# Altium PCB PCB1.PcbDoc (part 2 of 2)
Units mm, origin at the board's own origin, x right, y up, seen from the top; angles counter-clockwise.
Board outline 100 x 100 mm, 2 copper layers (Top Layer, Bottom Layer); 126 components, 105 nets, 401 pads, 405 vias.
Unrouted connection lines stored in the file: 72.
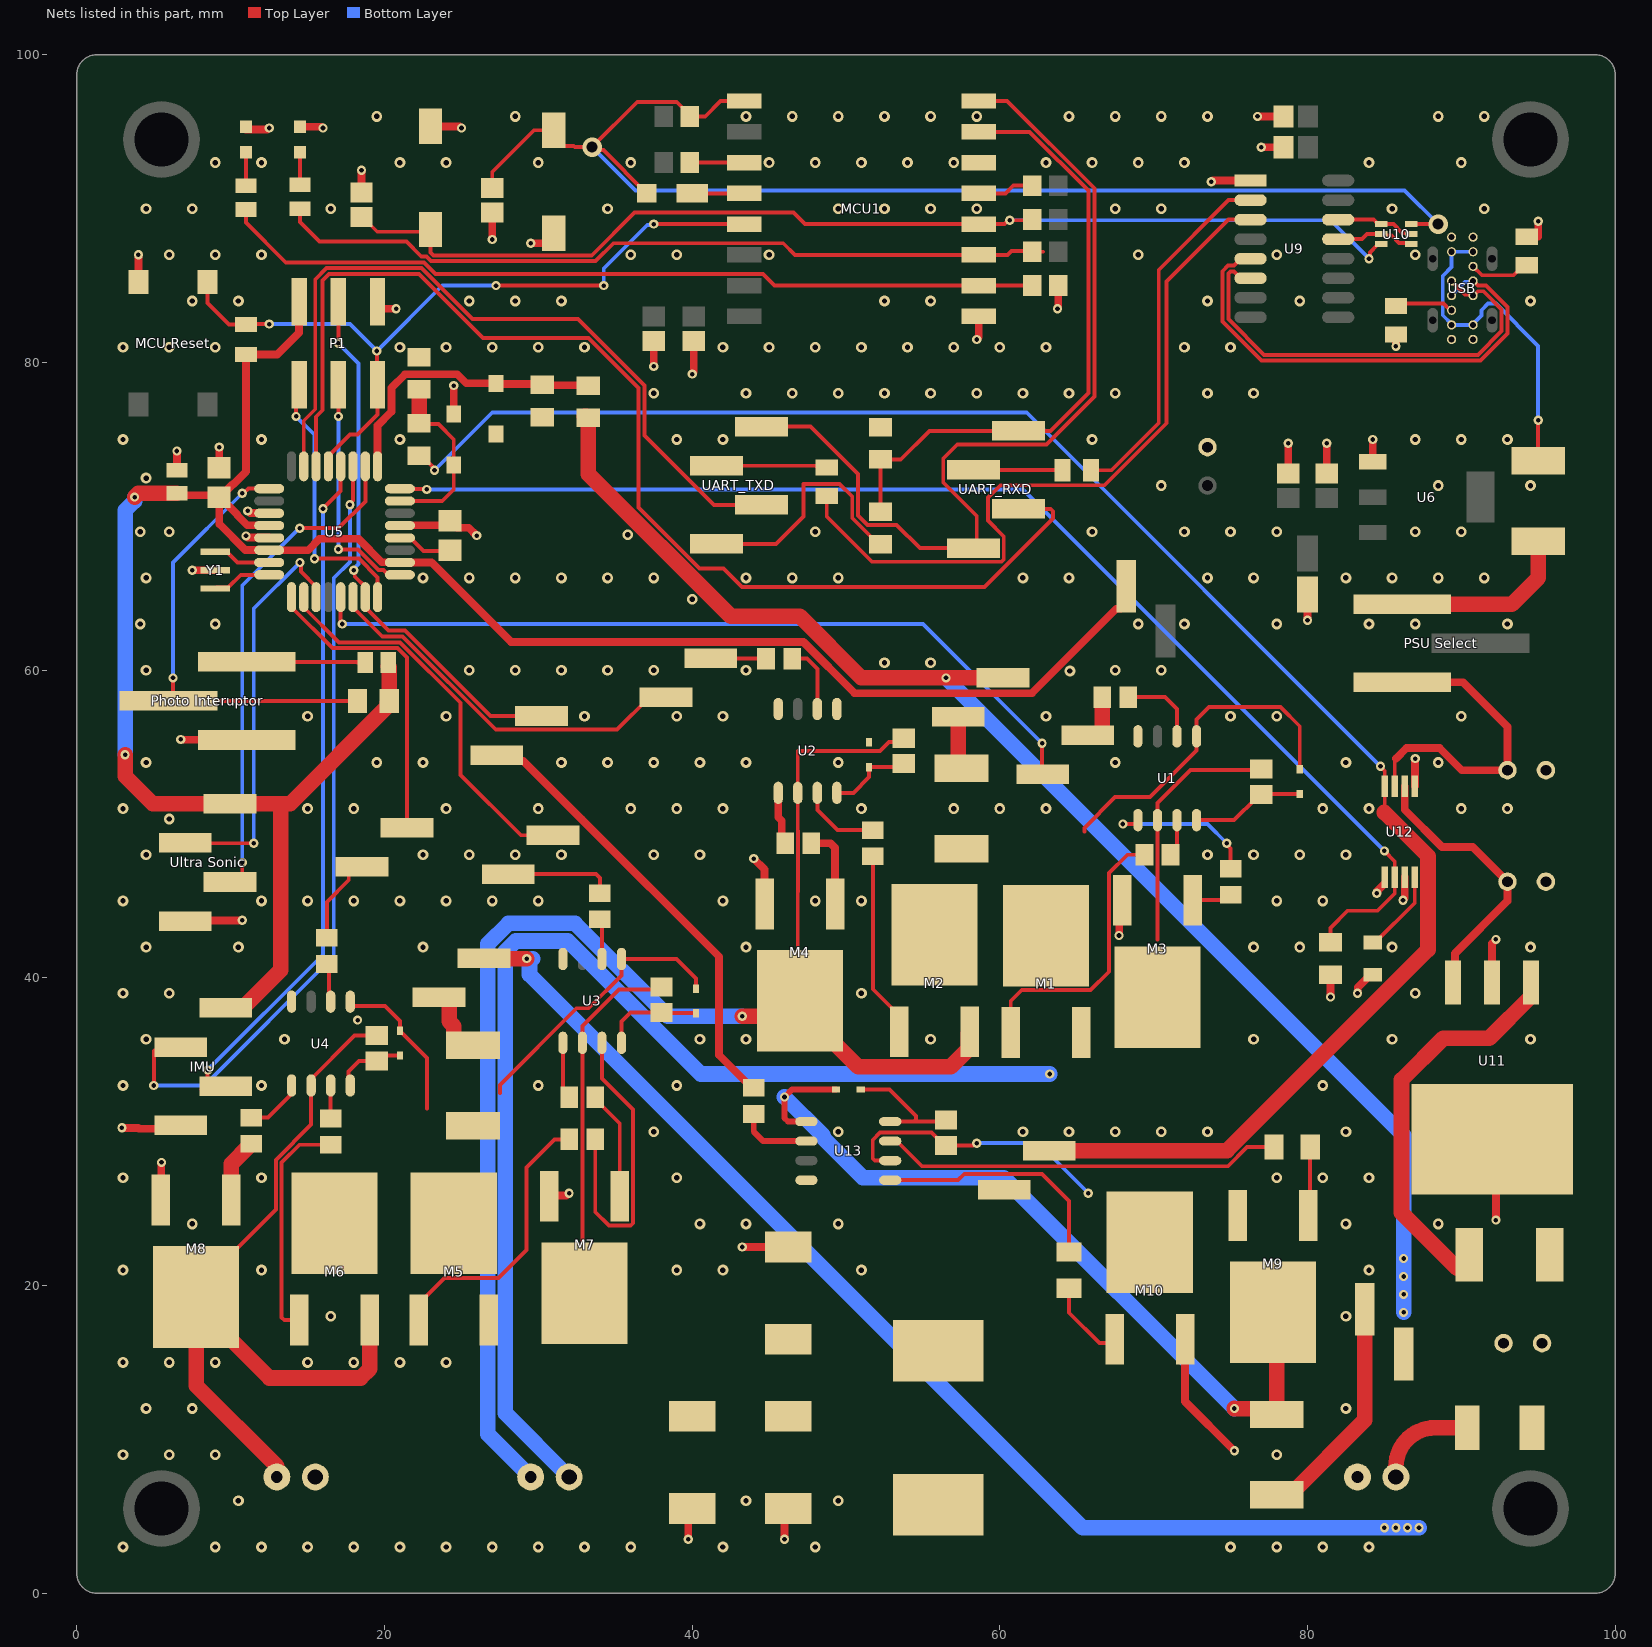
[diagram p2: the nets of this part, all layers, seen from the top]

## Via types
v1: diameter 0.7, hole 0.35, Top Layer to Bottom Layer, 303 vias
v2: diameter 0.6, hole 0.3, Top Layer to Bottom Layer, 100 vias
v3: diameter 1.27, hole 0.711, Top Layer to Bottom Layer, 2 vias

## Nets (pads, with @x,y where several pads share a name; then routed paths per layer and width w, separated by ;. In a path a pad name is that pad's centre, name@x,y a point inside that pad or via, vN(x,y) a via of type N, cw(c..) or ccw(c..) an arc to the next point about the centre after c; other vN are vias at no path point) (continued)
5V_MCU: "Ultra Sonic.1" C5.1 C6.1 IMU.1 J7.1 P1.2 R13.2 R14.2 R15.2 U5.4 U5.6 U5.18 | length 151.5
  Top Layer w0.254: R14.2@20.25,60.25 R14.2@20.25,60.5
  Top Layer w0.508: C5.1@6.5,71.5 6.625,71.375 9.125,71.375 C6.1@9.25,71.25 ; U5.4@12.5,69.4 12.482,69.418 11.082,69.418 10.426,70.074 10.426,70.124 C6.1@9.3,71.25 ; P1.2@14.46,83.95 14.436,83.926 14.436,81.936 13.025,80.525 R13.2@11,80.525 11,72.911 10.158,72.069 10.119,72.069 C6.1@9.3,71.25 ; J7.1@68.23,65.46 68.23,64.38 67.849,63.999 67.578,63.999 62.083,58.504 50.56,58.504 47.233,61.831 28.23,61.831 23.061,67 U5.18@21,67 20.982,67.018 19.827,67.018 18.306,68.539 15.772,68.539 15.033,67.8 U5.6@12.5,67.8 12.482,67.818 10.943,67.818 9.25,69.51 C6.1@9.25,71.25 ; C6.1@9.25,71.25 C6.1@9.3,71.25
  Top Layer w1.016: v2(3.135,54.5) 3.135,53.115 4.94,51.31 9.961,51.31 ; v2(3.75,71.25) 4,71.5 C5.1@6.5,71.5 ; IMU.1@9.671,38.04 9.798,38.167 10.917,38.167 13.25,40.5 13.25,50.75 ; 10.25,51.31 13.858,51.31 20.183,57.635 20.183,57.883 R15.2@20.3,58 20.3,60.2 R14.2@20.25,60.25
  Bottom Layer w1.016: v2(3.135,54.5) 3.135,70.385 3.75,71 v2(3.75,71.25)
+5_USB: "PSU Select.3" F3.1 | length 11.9
  Top Layer w1.016: 86.17,64.29 93.29,64.29 95,66 F3.1@95,68.385
BAT_VOLTAGE: "Drive Power.1" Buck_IN.2 C24.2 D7.1 F4.1 J6.1 R37.2 | length 166.6
  Top Layer w1.016: J6.1@26.46,41.27 26.48,41.25 v2(29.25,41.25) ; R37.2@33.004,76.494 33.155,76.494 R37.2@33.25,76.398 33.25,72.753 42.503,63.5 47,63.5 51,59.5 v2(56.5,59.5) 60.19,59.5 60.21,59.52
  Bottom Layer w1.016: 29.616,41.25 29.421,41.054 29.421,40.213 65.384,4.25 v2(85,4.25) v2(85.75,4.25) v2(86.5,4.25) v2(87.25,4.25) ; v2(56.5,59.5) 86.25,29.75 v2(86.25,18.25)
  other v2: 86.25,19.417 86.25,20.583 86.25,21.75
Battery_ADC_DIV_OUT: D8.1 R37.1 R38.2 U5.25 | length 19
  Top Layer w0.508: U5.25@19.55,73.25 19.55,75.911 20.444,76.805 20.444,78.34 21.338,79.234 24.729,79.234 25.313,78.65 D8.1@27.25,78.65 27.3,78.6 30.15,78.6 30.25,78.5 30.275,78.525 33.225,78.525 R37.1@33.25,78.5
Buck_5V: "PSU Select.1" C23.2 U12.7 | length 20.8
  Top Layer w0.254: U12.7@85.675,52.45 85.675,54.175 85.75,54.25
  Top Layer w0.508: 85.75,54.25 86.431,54.931 88.603,54.931 90.034,53.5 C23.2@93,53.5 93,56.317 90.107,59.21 86.17,59.21
BUCK_ADC: Buck_OUT.1 R35.2 U12.8 | length 117.3
  Top Layer w0.254: R35.2@22.25,73.949 22.401,73.949 23.184,73.166 23.184,73.066 v2(23.25,73) ; v2(84.75,53.75) 84.75,53.716 85.025,53.441 U12.8@85.025,52.45 85.025,51.076 85,51.051 85,50.75
  Top Layer w1.016: Buck_OUT.1@63.21,28.77 74.768,28.77 87.835,41.837 87.835,47.915 85,50.75
  Bottom Layer w0.254: v2(23.25,73) 27,76.75 61.75,76.75 v2(84.75,53.75)
CS_PWM1B: PWM1B.1 U5.14 | length 25.2
  Top Layer w0.254: U5.14@17.95,64.75 17.95,64.092 19.851,62.191 21.171,62.191 27.231,56.131 35.111,56.131 37.21,58.23 PWM1B.1@38.29,58.23
ECHO: "Ultra Sonic.3" U5.26 | length 32.3
  Top Layer w0.254: 9.961,46.23 10.242,46.23 10.75,46.738 v2(10.75,47.5) ; v2(14.483,69.233) 17.017,69.233 18.75,70.967 U5.26@18.75,73.25
  Bottom Layer w0.254: v2(10.75,47.5) 10.75,65.5 v2(14.483,69.233)
EN: MCU1.3 R19.2 | length 3.5
  Top Layer w0.254: R19.2@39.85,93 MCU1.3@43.375,93
GND: "MCU Reset.2" "Photo Interuptor.3" "Ultra Sonic.4" Battery.2 BUTTON.2 C5.2 C6.2 C7.2 C8.2 C9.1 C10.1 C11.1 C12.1 C13.1 C14.1 C15.1 C16.1 C17.1 C18.1 C20.1 C21.1 C22.1 C23.1 C24.1 D6.2 D8.2 IMU.4 LED1.2 LED2.2 M3.3 M4.3 M7.3 M8.3 M10.3 MCU1.15 P1.6 R16.1 R17.1 R23.1 R27.1 R30.1 R34.1 R36.1 R38.1 Reset.2 U1.4 U2.4 U3.4 U4.4 U5.3 U5.5 U5.21 U6.1 U9.1 U11.2 U11.4 U12.1 U12.3 U12.5 U13.4 USB.1 USB.7 USB.8 USB.14 Y1.2 | length 99.8
  Top Layer w0.508: v2(2.927,30.25) 2.945,30.232 3.985,30.232 4.028,30.19 IMU.4@5.039,30.19 ; 4,85.225 v2(4,87) ; M8.3@5.46,25.55 5.482,25.572 5.482,27.982 v2(5.5,28) ; C5.2@6.5,73 v2(6.5,74.25) ; v2(6.75,55.5) 6.768,55.482 11.518,55.482 11.54,55.46 ; 7.04,43.69 7.082,43.732 10.732,43.732 v2(10.75,43.75) ; v2(7.5,66.5) Y1.2@9,66.5 ; C6.2@9.25,73.15 v2(9.25,74.5) ; v2(10.996,68.727) 11.021,68.727 11.131,68.618 12.482,68.618 U5.5@12.5,68.6 ; LED2.2@11,95.15 12.375,95.15 12.475,95.25 v2(12.5,95.25) ; v2(11.107,70.357) 11.131,70.357 11.27,70.218 12.482,70.218 U5.3@12.5,70.2 ; LED1.2@14.5,95.325 15.9,95.325 15.975,95.25 v2(16,95.25) ; C16.1@18.5,91.05 v2(18.5,92.5) ; P1.6@19.54,83.95 19.54,83.746 19.786,83.5 v2(20.75,83.5) ; U5.21@21,69.4 21.018,69.418 23.968,69.418 C7.2@24.25,69.7 24.696,69.254 25.471,69.254 25.975,68.75 v2(26,68.75) ; BUTTON.2@23,95.35 24.875,95.35 24.975,95.25 v2(25,95.25) ; D6.2@24.5,76.65 v2(24.5,78.5) ; v2(27,88) C17.1@27,89.75 ; v2(29.5,87.75) 30.504,87.75 31,88.246 Reset.2@31,88.4 ; M7.3@30.71,25.8 30.749,25.839 31.815,25.839 31.975,26 v2(32,26) ; v2(37.5,79.75) C12.1@37.5,81.4 ; v2(39.75,3.5) 39.75,5.25 C21.1@40,5.5 ; v2(40,79.25) 40,79.275 40.1,79.375 C13.1@40.1,81.4 ; v2(43.25,22.5) C20.1@46.25,22.5 ; v2(44,47.75) 44.71,47.04 M4.3@44.71,44.8 ; v2(46,3.5) 46,5.25 C22.1@46.25,5.5 ; v2(58.5,81.5) 58.5,81.525 58.625,81.65 MCU1.15@58.625,83 ; v2(63.75,83.5) 63.75,83.525 63.8,83.575 R23.1@63.8,85 ; v2(67.75,42.75) 67.768,42.768 67.768,44.858 M3.3@67.96,45.05 ; M10.3@72.04,16.5 72.04,12.46 v2(75.25,9.25) ; v2(73.75,91.75) 73.775,91.75 73.855,91.83 U9.1@76.3,91.83 ; v2(76.75,96) C15.1@78.45,96 ; v2(77,94) C14.1@78.45,94 ; C10.1@78.75,73.35 v2(78.75,74.75) ; v2(80,63.25) C8.2@80,64.925 ; C9.1@81.25,73.35 v2(81.25,74.75) ; v2(81.5,38.75) R34.1@81.5,40.199 ; v2(83.25,39) 83.268,39.018 83.268,39.368 84.1,40.2 R30.1@84.25,40.2 ; U6.1@84.25,73.55 v2(84.25,75) ; v2(84.5,45.5) 84.518,45.518 84.518,45.626 U12.1@84.996,46.104 ; v2(85.75,81.054) R17.1@85.75,81.825 ; v2(86.208,45.042) 86.208,45.067 86.325,45.183 U12.3@86.325,46.55 ; U12.5@86.975,52.45 86.988,52.463 86.988,54.238 v2(87,54.25) ; U11.4@92,29.5 92.25,29.25 v2(92.25,24.25) ; U11.2@92,39.7 92,42.225 92.25,42.475 v2(92.25,42.5) ; 95,88.175 v2(95,89.178)
  other v1: 3,3 9,3 12,3 15,3 18,3 21,3 24,3 27,3 30,3 33,3 36,3 42,3 48,3 75,3 78,3 81,3 84,3 10.5,6 43.5,6 49.5,6 3,9 6,9 9,9 78,9 4.5,12 7.5,12 82.5,12 3,15 6,15 9,15 15,15 18,15 21,15 24,15 16.5,18 82.5,18 3,21 12,21 39,21 42,21 51,21 84,21 7.5,24 40.5,24 43.5,24 49.5,24 82.5,24 88.5,24 3,27 12,27 39,27 78,27 81,27 84,27 37.5,30 49.5,30 61.5,30 64.5,30 67.5,30 70.5,30 73.5,30 82.5,30 3,33 12,33 30,33 39,33 81,33 4.5,36 13.5,36 40.5,36 43.5,36 55.5,36 76.5,36 85.5,36 94.5,36 3,39 6,39 51,39 87,39 4.5,42 10.5,42 22.5,42 43.5,42 76.5,42 79.5,42 85.5,42 94.5,42 3,45 12,45 15,45 18,45 21,45 24,45 27,45 30,45 42,45 48,45 51,45 78,45 81,45 4.5,48 22.5,48 25.5,48 28.5,48 31.5,48 37.5,48 40.5,48 73.5,48 76.5,48 79.5,48 82.5,48 6,50.325 3,51 15,51 18,51 24,51 30,51 36,51 39,51 42,51 51,51 57,51 60,51 63,51 81,51 84,51 90,51 93,51 4.5,54 19.5,54 22.5,54 31.5,54 34.5,54 37.5,54 40.5,54 43.5,54 49.5,54 67.5,54 82.5,54 88.5,54 15,57 24,57 33,57 39,57 42,57 63,57 75,57 78,57 90,57 64.556,59.944 4.5,60 25.5,60 28.5,60 31.5,60 34.5,60 37.5,60 43.5,60 67.5,60 70.5,60 52.5,60.485 55.5,60.485 4.12,63 9,63 69,63 72,63 78,63 84,63 87,63 93,63 40.001,64.608 4.5,66 22.5,66 25.5,66 28.5,66 31.5,66 34.5,66 37.5,66 43.5,66 46.5,66 49.5,66 61.5,66 64.5,66 73.5,66 76.5,66 82.5,66 85.5,66 88.5,66 91.5,66 35.805,68.805 4.12,69 6,69 48,69 66,69 72,69 75,69 78,69 87,69 90,69 70.5,72 88.5,72 94.5,72 4.5,72.485 3,75 12,75 21,75 39,75 42,75 66,75 87,75 90,75 93,75 37.5,78 43.5,78 46.5,78 49.5,78 52.5,78 55.5,78 58.5,78 61.5,78 64.5,78 67.5,78 73.5,78 76.5,78 3,81 6,81 9,81 21,81 24,81 27,81 30,81 33,81 42,81 45,81 48,81 51,81 54,81 57,81 60,81 63,81 72,81 75,81 7.5,84 10.5,84 25.5,84 28.5,84 31.5,84 52.5,84 55.5,84 73.5,84 79.5,84 94.5,84 6,87 9,87 12,87 36,87 39,87 45,87 69,87 78,87 87,87 4.5,90 7.5,90 16.5,90 34.5,90 49.5,90 52.5,90 55.5,90 58.5,90 67.5,90 70.5,90 85.5,90 91.5,90 9,93 12,93 21,93 24,93 30,93 36,93 45,93 48,93 51,93 54,93 57,93 63,93 66,93 69,93 72,93 84,93 90,93 19.5,96 28.5,96 43.5,96 46.5,96 49.5,96 52.5,96 55.5,96 58.5,96 64.5,96 67.5,96 70.5,96 73.5,96 88.5,96 91.5,96
  other v2: 18.25,37.25
GPIO0: BUTTON.1 C16.2 MCU1.18 R21.2 U10.3 | length 72.8
  Top Layer w0.254: C16.2@18.5,89.45 18.575,89.45 19.525,88.5 22.85,88.5 BUTTON.1@23,88.65 23,87.155 23.185,86.97 33.47,86.97 36.254,89.754 46.575,89.754 47.329,89 MCU1.18@58.625,89 60.306,89 60.556,89.25 R21.2@61.9,89.25 ; v2(84,86.75) 84.066,86.816 84.066,87.166 84.527,87.627 84.727,87.627 U10.3@84.8,87.7
  Bottom Layer w0.254: v2(60.65,89.25) 81.5,89.25 v2(84,86.75)
GPIO2: MCU1.17 R22.2 R28.2 | length 50.9
  Top Layer w0.254: R28.2@14.5,90 14.5,89.144 15.777,87.867 21.415,87.867 22.385,86.897 22.719,86.897 23.027,86.589 33.724,86.589 34.889,87.754 45.921,87.754 46.675,87 MCU1.17@58.625,87 60.5,87 60.75,87.25 R22.2@61.9,87.25 ; R22.2@62.1,87.2 62.8,87.2
GPIO15: MCU1.16 R23.2 R29.2 | length 53.5
  Top Layer w0.254: R29.2@11,89.95 11,89.094 13.578,86.516 22.562,86.516 23.324,85.754 44.605,85.754 45.359,85 MCU1.16@58.625,85 R23.2@61.9,85
INTERUPTER_SIG: "Photo Interuptor.2" R15.1 U5.1 | length 29.1
  Top Layer w0.254: v2(6.25,59.5) 6.25,58.21 6.46,58 R15.1@18.25,58 ; v2(10.75,71.5) 10.844,71.5 11.144,71.8 U5.1@12.5,71.8
  Bottom Layer w0.254: v2(6.25,59.5) 6.25,67 v2(10.75,71.5)
MISO: P1.1 U5.16 | length 17.8
  Top Layer w0.254: v2(14.25,76.5) 14.25,78.34 P1.1@14.46,78.55 ; v2(15.446,67.25) 18.337,67.25 19.55,66.037 U5.16@19.55,64.75
  Bottom Layer w0.254: v2(14.25,76.5) 15.446,75.304 v2(15.446,67.25)
MOSI_PWM_2A: P1.4 PWM2A.2 U5.15 | length 35.2
  Top Layer w0.254: v2(17,81.25) P1.4@17,83.95 ; v2(18,66.5) 18.066,66.434 18.066,66.092 18.75,65.408 18.75,64.075 20.253,62.572 21.329,62.572 26.881,57.02 PWM2A.2@30.21,57.02
  Bottom Layer w0.254: v2(17,81.25) 18.304,79.946 18.304,66.898 18,66.594 v2(18,66.5)
NetBattery_1: Battery.1 D7.2 | length 6.8
  Top Layer w1.016: Battery.1@85.75,7.55 85.75,8.21 cw(c88.29,8.21) 88.29,10.75 D7.2@90.4,10.75
NetBuck_IN_1: Buck_IN.1 F5.1 | length 15
  Top Layer w1.016: F5.1@78,6.385 78.86,6.385 83.73,11.255 Buck_IN.1@83.73,18.46
NetBuck_OUT_2: Buck_OUT.2 C20.2 C21.2 C22.2 L.2
NetC1_1: C1.1 D5.2 U1.8 | length 7.8
  Top Layer w0.254: U1.8@72.79,50.25 75.225,50.25 76.675,51.7 77.2,51.7 C1.1@77.425,51.925 ; C1.1@77,51.925 C1.1@77.425,51.925 ; D5.2@79.5,51.95 77.45,51.95 C1.1@77.425,51.925
NetC2_1: C2.1 D2.2 U2.8 | length 5.5
  Top Layer w0.254: U2.8@49.405,52.025 50.481,52.025 51.5,53.044 D2.2@51.5,53.7 53.525,53.7 C2.1@53.75,53.925
NetC3_1: C3.1 D3.2 U3.8 | length 6.8
  Top Layer w0.254: U3.8@35.405,35.775 35.405,37.155 36,37.75 C3.1@38,37.75 ; C3.1@37.775,37.525 37.95,37.7 D3.2@40.25,37.7
NetC4_1: C4.1 D4.2 U4.8 | length 4.7
  Top Layer w0.254: U4.8@17.655,33.025 17.655,33.905 18.35,34.6 C4.1@19.5,34.6 19.85,34.95 D4.2@21,34.95
NetC7_1: C7.1 U5.20 | length 3.6
  Top Layer w0.254: U5.20@21,68.6 21.675,68.6 22.525,67.75 24.2,67.75 C7.1@24.25,67.8
NetC19_1: C19.1 D.2 U13.8 | length 8.4
  Top Layer w0.254: D.2@50.95,32.75 52.818,32.75 54.554,31.014 54.554,30.804 54.405,30.655 ; U13.8@52.875,30.655 54.405,30.655 ; C19.1@56.5,30.75 56.405,30.655 54.405,30.655
NetC19_2: C19.2 L.1 M9.3 M10.1 U13.6 | length 18.3
  Top Layer w0.254: U13.6@52.875,28.115 51.885,28.115 51.736,28.264 51.736,29.454 52.221,29.939 55.561,29.939 C19.2@56.4,29.1 ; C19.2@56.5,29.1 58.256,29.1 58.406,29.25 v2(58.5,29.25)
  Bottom Layer w0.254: v2(58.5,29.25) 62.5,29.25 v2(65.75,26)
NetD1_2: D1.2 MCU1.4 | length 3.4
  Top Layer w0.254: D1.2@40,91 MCU1.4@43.375,91
NetD6_1: D6.1 R35.1 R36.2 U5.23 | length 11.9
  Top Layer w0.254: U5.23@21,71 23.75,71 24.5,71.75 D6.1@24.5,73.35 24.5,75 23.5,76 22.301,76 R35.1@22.25,76.051
  Top Layer w1.016: R35.1@22.25,76.051 R36.2@22.25,78.25
"NetDrive Power_2": "Drive Power.2" F1.1 | length 3.5
  Top Layer w1.016: 57.29,56.98 57.29,53.825 F1.1@57.5,53.615
NetF2_1: F2.1 J6.2 | length 4.8
  Top Layer w1.016: J6.2@23.54,38.73 24.072,38.73 24.199,38.603 24.199,37.166 24.508,36.857 24.508,35.997 24.89,35.615 F2.1@25.75,35.615
NetF3_2: F3.2 USB.2 USB.6 USB.9 USB.13 | length 21.7
  Top Layer w0.254: F3.2@95,73.615 v2(95,76.25)
  Bottom Layer w0.254: USB.6@90.77,87.2 USB.9@89.37,87.2 89.37,86.206 88.793,85.629 88.793,83.071 89.37,82.494 USB.13@89.37,82.45 USB.2@90.77,82.45 90.77,82.509 91.309,83.049 91.309,83.396 91.74,83.827 92.26,83.827 95,81.087 v2(95,76.25)
NetF4_2: F4.2 U11.1 | length 25.3
  Top Layer w1.016: F4.2@89.726,21.115 86.115,24.726 86.115,33.363 88.825,36.073 91.813,36.073 94.523,38.783 94.523,39.683 U11.1@94.54,39.7
NetJ4_1: J4.1 R9.1 | length 7.1
  Top Layer w0.254: J4.1@28.04,46.73 28.06,46.75 33.75,46.75 34,46.5 R9.1@34,45.5
NetJ5_2: J5.2 R10.2 | length 5.8
  Top Layer w0.254: R10.2@16.25,42.6 16.25,44.94 17.673,46.363 17.673,46.722 18.181,47.23 J5.2@18.54,47.23
NetLED1_1: LED1.1 R28.1 | length 2.4
  Top Layer w0.254: R28.1@14.5,91.275 LED1.1@14.5,93.675
NetLED2_1: LED2.1 R29.1 | length 2
  Top Layer w0.254: R29.1@11,91.5 LED2.1@11,93.5
NetM1_2: M1.2 R1.2 | length 18.4
  Top Layer w0.254: M1.2@60.71,36.45 60.71,38.481 61.425,39.196 65.905,39.196 67.103,40.394 67.103,46.802 68.301,48 R1.2@69.4,48
NetM2_2: M2.2 R2.2 | length 12.1
  Top Layer w0.254: R2.2@51.75,47.9 51.75,39.26 53.46,37.55 M2.2@53.46,36.5
NetM3_2: M3.2 R5.2 | length 2.6
  Top Layer w0.254: M3.2@72.54,45.05 74.65,45.05 R5.2@75,45.4
NetM4_2: M4.2 R6.2 | length 5.3
  Top Layer w0.508: R6.2@47.75,48.75 48.992,48.75 49.29,48.452 M4.2@49.29,44.8
NetM5_2: M5.2 R7.2 | length 18.8
  Top Layer w0.254: M5.2@22.21,17.75 22.21,18.8 23.906,20.496 27.405,20.496 29.225,22.315 29.225,27.681 31.044,29.5 R7.2@32.4,29.5
NetM6_2: M6.2 R8.2 | length 15
  Top Layer w0.254: M6.2@14.46,17.75 13.479,17.75 13.315,17.914 13.315,28 14.465,29.15 R8.2@16.5,29.15
NetM7_2: M7.2 R11.2 | length 7.1
  Top Layer w0.254: R11.2@33.7,32.25 33.7,32.125 35.29,30.535 M7.2@35.29,25.8
NetM8_2: M8.2 R12.2 | length 4.3
  Top Layer w1.016: M8.2@10.04,25.55 10.044,25.554 10.044,27.919 11.141,29.016 11.141,29.141 11.208,29.208 R12.2@11.333,29.208
NetM9_2: M9.2 R31.2 | length 4.5
  Top Layer w0.254: M9.2@80.04,24.55 80.176,24.686 R31.2@80.176,29
NetM10_2: M10.2 R33.2 | length 5.5
  Top Layer w0.254: R33.2@64.5,19.824 64.5,18.229 66.479,16.25 67.21,16.25 M10.2@67.46,16.5
"NetPhoto Interuptor_1": "Photo Interuptor.1" R14.1 | length 6.7
  Top Layer w0.254: 11.54,60.54 18.21,60.54 18.25,60.5
NetPWM1A_1: PWM1A.1 R3.1 | length 3.3
  Top Layer w1.016: PWM1A.1@65.71,55.77 66.523,55.77 66.65,55.897 R3.1@66.65,58.25
NetPWM1B_2: PWM1B.2 R4.2 | length 3.6
  Top Layer w0.254: PWM1B.2@41.21,60.77 44.78,60.77 R4.2@44.8,60.75
NetPWM2A_1: PWM2A.1 R32.2 | length 29.4
  Top Layer w0.508: PWM2A.1@27.29,54.48 27.671,54.099 29.02,54.099 32.833,50.286 41.75,41.369 41.75,34.975 43.875,32.85 R32.2@44,32.85
NetR1_1: R1.1 U1.7 | length 2.4
  Top Layer w0.254: R1.1@71.1,48 71.52,48.42 U1.7@71.52,50.25
NetR2_1: R2.1 U2.7 | length 5.3
  Top Layer w0.254: U2.7@48.135,52.025 48.135,50.919 49.454,49.6 R2.1@51.75,49.6
NetR3_2: R3.2 U1.2 | length 5.3
  Top Layer w0.254: R3.2@68.35,58.25 70.75,58.25 71.52,57.48 U1.2@71.52,55.7
NetR4_1: R4.1 U2.2 | length 4.5
  Top Layer w0.254: R4.1@46.5,60.75 47.456,60.75 48.135,60.071 U2.2@48.135,57.475
NetR5_1: R5.1 U1.5 | length 10.2
  Top Layer w0.254: v2(68,50) 68.82,50 68.98,50.16 U1.5@68.98,50.25 ; v2(74.75,48.75) 74.75,48.656 75,48.406 R5.1@75,47.1
  Bottom Layer w0.254: v2(68,50) 73.5,50 v2(74.75,48.75)
NetR6_1: R6.1 U2.5 | length 3.5
  Top Layer w0.508: U2.5@45.595,52.025 45.595,50.444 45.827,50.212 45.827,48.973 R6.1@46.05,48.75
NetR7_1: R7.1 U3.7 | length 20.2
  Top Layer w0.254: R7.1@33.7,29.5 33.7,24.781 34.585,23.896 35.995,23.896 36.144,24.045 36.144,31.44 34.135,33.449 U3.7@34.135,35.775
NetR8_1: R8.1 U4.7 | length 2.1
  Top Layer w0.254: R8.1@16.5,30.85 U4.7@16.5,33
NetR9_2: R9.2 U3.2 | length 2.6
  Top Layer w0.254: R9.2@34,43.8 34.135,43.665 U3.2@34.135,41.225
NetR10_1: R10.1 U4.2 | length 2.5
  Top Layer w0.254: R10.1@16.25,40.9 16.385,40.765 U4.2@16.385,38.475
NetR11_1: R11.1 U3.5 | length 3.7
  Top Layer w0.254: U3.5@31.595,35.775 31.595,32.655 R11.1@32,32.25
NetR12_1: R12.1 U4.5 | length 3.8
  Top Layer w0.254: R12.1@11.333,30.908 12.414,30.908 13.894,32.388 U4.5@13.894,32.976
NetR16_2: R16.2 USB.5 | length 3.8
  Top Layer w0.254: USB.5@90.77,86.25 91.347,85.673 93.398,85.673 R16.2@94.05,86.325
NetR17_2: R17.2 USB.12 | length 3.9
  Top Layer w0.254: R17.2@85.75,83.675 85.902,83.827 88.849,83.827 89.276,83.4 USB.12@89.37,83.4
NetR24_2: R24.2 U9.2 | length 23.5
  Top Layer w0.254: R24.2@65.925,73 67.25,73 70.331,76.081 70.331,86.022 74.869,90.56 U9.2@76.3,90.56
NetR25_2: R25.2 UART_TXD.4 | length 15.9
  Top Layer w0.254: UART_TXD.4@41.579,68.21 45.46,68.21 47.25,70 47.25,72.104 49.58,72.104 50.407,71.278 50.407,69.889 51.233,69.063 51.236,69.063 52.099,68.199 R25.2@52.25,68.199
NetR26_2: R26.2 U9.3 | length 48.5
  Top Layer w0.254: R26.2@48.75,71.325 48.75,69.983 51.682,67.051 60.109,67.051 60.258,67.2 60.258,68.702 59.242,69.718 59.242,71.22 60.043,72.021 66.81,72.021 70.839,76.051 70.839,85.26 74.869,89.29 U9.3@76.3,89.29
NetR30_2: R30.2 U12.4 | length 5.5
  Top Layer w0.254: R30.2@84.25,42.3 84.4,42.3 86.975,44.875 U12.4@86.975,46.55
NetR31_1: R31.1 U13.7 | length 26.1
  Top Layer w0.254: U13.7@52.875,29.385 53.3,29.385 54.935,27.75 74.826,27.75 76.076,29 R31.1@77.824,29
NetR32_1: R32.1 U13.2 | length 4.8
  Top Layer w0.381: R32.1@44,31.15 44,30 44.615,29.385 U13.2@47.425,29.385
NetR33_1: R33.1 U13.5 | length 15.8
  Top Layer w0.254: U13.5@52.875,26.845 57.282,26.845 57.687,27.25 62.75,27.25 64.5,25.5 R33.1@64.5,22.176
NetU5_7: U5.7 Y1.3 | length 3.8
  Top Layer w0.254: Y1.3@9,67.7 9.073,67.627 9.823,67.627 10.45,67 U5.7@12.5,67
NetU5_8: U5.8 Y1.1 | length 3.9
  Top Layer w0.254: Y1.1@9,65.3 9.073,65.373 9.823,65.373 10.65,66.2 U5.8@12.5,66.2
NetU9_13: U9.13 U10.2 U10.4 | length 5.1
  Top Layer w0.254: U9.13@82,88.02 83.55,88.02 83.88,88.35 U10.2@84.8,88.35 84.873,88.277 85.455,88.277 85.959,87.773 86.667,87.773 U10.4@86.74,87.7
NetU9_14: U9.14 U10.1 U10.5 | length 5.1
  Top Layer w0.254: U9.14@82,89.29 84.31,89.29 84.527,89.073 84.727,89.073 U10.1@84.8,89 85.581,89 86.158,88.423 86.667,88.423 U10.5@86.74,88.35
nRST: C17.2 D1.1 MCU1.1 R20.2 Reset.1 U10.6 | length 84.9
  Top Layer w0.254: C17.2@27,91.35 27,92.381 29.719,95.1 Reset.1@31,95.1 31,94.7 31.623,94.077 32.288,94.077 32.365,94 v3(33.5,94) ; D1.1@37.05,91 37.035,91 34.229,93.806 33.694,93.806 v3(33.5,94) ; MCU1.1@43.375,97 41.85,97 40.85,96 R20.2@39.85,96 39.85,96.075 38.996,96.929 36.429,96.929 v3(33.5,94) ; U10.6@86.74,89 v3(88.5,89)
  Bottom Layer w0.254: v3(33.5,94) 36.304,91.196 86.304,91.196 v3(88.5,89)
PSU_SELECT: R34.2 U5.24 U12.2 | length 82.9
  Top Layer w0.254: U5.24@21,71.8 21.025,71.775 22.725,71.775 v2(22.75,71.75) ; R34.2@81.5,42.301 81.5,43.25 82.61,44.36 84.566,44.36 85.675,45.469 85.675,47.575 v2(85,48.25)
  Bottom Layer w0.254: v2(22.75,71.75) 61.5,71.75 v2(85,48.25)
PWM_1A: PWM1A.2 U5.13 | length 52.6
  Top Layer w0.254: U5.13@17.15,64.75 17.15,63.194 17.25,63.094 v2(17.25,63) ; PWM1A.2@62.79,53.23 62.75,53.27 62.75,55.21 v2@62.79,55.25
  Bottom Layer w0.254: v2(17.25,63) 55,63 v2(62.75,55.25)
PWM_2A: J4.2 U5.10 | length 25.8
  Top Layer w0.254: U5.10@14.75,64.75 14.75,64.092 17.032,61.81 21.013,61.81 24.939,57.885 24.939,53.195 28.864,49.27 J4.2@30.96,49.27
PWM_2B: J5.1 U5.9 | length 20.6
  Top Layer w0.254: U5.9@13.95,64.75 13.95,64.092 16.613,61.429 20.855,61.429 21.46,60.824 J5.1@21.46,49.77
RESET: "MCU Reset.4" MCU1.5 P1.5 R13.1 U5.29 | length 50.7
  Top Layer w0.254: 8.5,85.225 8.5,83.869 9.894,82.475 R13.1@11,82.475 11.025,82.5 v2(12.5,82.5) ; U5.29@16.35,73.25 16.35,73.925 17.754,75.329 18.25,75.329 19.54,76.619 P1.5@19.54,78.55 19.5,78.59 v2(19.5,80.75) ; v2(27.25,85) v2(34.25,85) ; v2(37.5,89) MCU1.5@43.375,89
  Bottom Layer w0.254: v2(12.5,82.5) 17.75,82.5 v2(19.5,80.75) 23.75,85 v2(27.25,85) ; v2(34.25,85) 34.25,86.104 37.08,88.934 37.434,88.934 v2(37.5,89)
RXD: U5.30 UART_RXD.3 | length 77.5
  Top Layer w0.254: U5.30@15.55,73.25 15.55,76.478 15.972,76.9 15.972,85.332 16.395,85.754 22.246,85.754 26.396,81.604 33.25,81.604 36.5,78.354 36.5,70.58 40.476,66.604 42.042,66.604 43.25,65.396 58.993,65.396 63.455,69.858 63.455,70.331 63.306,70.48 UART_RXD.3@61.211,70.48
RXD0: MCU1.21 R25.1 R27.2 UART_RXD.1 | length 40.6
  Top Layer w0.254: R25.1@52.25,70.301 R27.2@52.25,73.699 53.556,73.699 55.417,75.56 UART_RXD.1@61.211,75.56 63.306,75.56 65.762,78.016 65.762,91.172 61.934,95 MCU1.21@58.625,95
RXD_CH340: R26.1 UART_TXD.2 | length 6.5
  Top Layer w0.254: UART_TXD.2@41.579,73.29 48.035,73.29 R26.1@48.075,73.25
SCK: P1.3 U5.17 | length 15.4
  Top Layer w0.254: v2(17,67.858) 18.268,67.858 19.617,66.51 19.922,66.51 20.231,66.2 U5.17@21,66.2 ; v2(17,76.5) P1.3@17,78.55
  Bottom Layer w0.254: v2(17,67.858) v2(17,76.5)
SCL: IMU.3 U5.28 | length 44.3
  Top Layer w0.254: IMU.3@8.083,32.73 8.5,33.147 v2(8.5,34) ; v2(16,70.5) 17.15,71.65 U5.28@17.15,73.25
  Bottom Layer w0.254: v2(8.5,34) 16,41.5 v2(16,70.5)
SCL_3V3: MCU1.20
SDA: IMU.2 U5.27 | length 49.8
  Top Layer w0.254: v2(5,33) 5,35.231 IMU.2@5.039,35.27 ; v2(17.75,70.75) 17.75,70.844 17.95,71.044 U5.27@17.95,73.25
  Bottom Layer w0.254: v2(5,33) 8.283,33 16.696,41.413 16.696,65.979 17.75,67.033 v2(17.75,70.75)
SDA_3V3: MCU1.19 R18.2 | length 3.6
  Top Layer w0.254: MCU1.19@58.625,91 60.375,91 60.875,91.5 R18.2@62,91.5
TRIGGER: "Ultra Sonic.2" U5.11 | length 27.4
  Top Layer w0.254: 6.256,48.77 6.276,48.75 v2(11.5,48.75) ; v2(14.5,67) 14.566,66.934 14.566,66.409 15.55,65.425 U5.11@15.55,64.75
  Bottom Layer w0.254: v2(11.5,48.75) 11.5,64 v2(14.5,67)
TXD: U5.31 UART_TXD.3 | length 50
  Top Layer w0.254: U5.31@14.75,73.25 14.75,76.217 15.493,76.96 15.493,85.392 16.237,86.135 22.404,86.135 25.719,82.819 32.574,82.819 36.896,78.497 36.896,75.264 41.41,70.75 UART_TXD.3@44.5,70.75
TXD0: MCU1.22 UART_RXD.4 UART_TXD.1 | length 60.4
  Top Layer w0.254: UART_TXD.1@44.5,75.83 47.704,75.83 50.788,72.747 50.788,70.047 51.391,69.444 53.295,69.444 54.798,67.94 UART_RXD.4@58.29,67.94 58.5,68.15 58.5,70.015 56.321,72.194 56.321,73.76 57.232,74.671 63.03,74.671 66.143,77.784 66.143,91.33 60.473,97 MCU1.22@58.625,97
TXD_CH340: R24.1 UART_RXD.2 | length 5.8
  Top Layer w0.254: UART_RXD.2@58.29,73.02 64.055,73.02 R24.1@64.075,73
USB_D_N: U9.6 USB.3 USB.10 | length 29.7
  Top Layer w0.254: U9.6@76.3,85.48 75.673,85.48 75.228,85.925 75.004,85.925 74.855,85.776 74.855,82.818 77.173,80.5 91.087,80.5 92.627,82.04 92.627,83.46 91.452,84.635 91.092,84.635 90.807,84.35 USB.3@90.77,84.35 90.704,84.416 90.254,84.416 USB.10@89.37,85.3
USB_D_P: U9.5 USB.4 USB.11 | length 32.2
  Top Layer w0.254: U9.5@76.3,86.75 75.673,86.75 75.228,86.306 74.846,86.306 74.474,85.934 74.474,82.66 77.016,80.119 91.245,80.119 93.008,81.882 93.008,83.618 91.61,85.016 91.092,85.016 90.807,85.3 USB.4@90.77,85.3
  Bottom Layer w0.254: USB.11@89.37,84.35 90.254,85.234 90.704,85.234 USB.4@90.77,85.3
VA_DMOT: "Drive Motor.1" C1.2 M1.3 M3.1 U1.6 | length 92
  Top Layer w0.254: 70.25,42.5 U1.6@70.25,50.25 70.25,51.356 72.394,53.5 C1.2@77.35,53.5
  Bottom Layer w1.016: 32,7.55 27.857,11.693 27.857,41.723 28.527,42.393 31.918,42.393 40.561,33.75 v2(63.25,33.75)
VA_SMOT: "Steering Motor.1" C3.2 M5.3 M7.1 U3.6 | length 23.6
  Top Layer w0.254: M7.1@33,19.5 32.865,19.635 U3.6@32.865,35.775 32.865,36.881 35.234,39.25 37.85,39.25 C3.2@38,39.4
VB_DMOT: "Drive Motor.2" C2.2 M2.3 M4.1 U2.6 | length 97.8
  Top Layer w0.254: M4.1@47,38.5 46.865,38.635 46.865,45.607 46.879,45.621 46.879,49.555 46.865,49.569 U2.6@46.865,52.025 46.865,54.75 52.216,54.75 52.793,55.327 53.502,55.327 C2.2@53.75,55.575
  Top Layer w1.016: v2(43.25,37.5) 46,37.5 M4.1@47,38.5 47,38 50.785,34.215 56.805,34.215 57.948,35.358 57.948,36.408 M2.3@58.04,36.5
  Bottom Layer w1.016: 29.5,7.55 26.714,10.336 26.714,42.197 28.053,43.536 32.392,43.536 38.428,37.5 v2(43.25,37.5)
VB_SMOT: "Steering Motor.2" C4.2 M6.3 M8.1 U4.6 | length 52.6
  Top Layer w0.254: M8.1@7.75,19.25 7.75,19.75 12.934,24.934 12.934,28.158 15.23,30.454 U4.6@15.23,33 ; U4.6@15.115,33 15.115,33.31 18.055,36.25 C4.2@19.5,36.25
  Top Layer w1.016: M8.1@7.75,18.75 12.519,13.981 18.445,13.981 19.04,14.576 M6.3@19.04,17.75 ; M8.1@7.75,19.25 7.75,13.5 13,8.25
Vbat: D.1 F5.2 M9.1 U13.1 | length 53.8
  Top Layer w0.381: U13.1@47.425,30.655 46.223,30.655 46,30.878 v2(46,32.25) 46.5,32.75 D.1@49.35,32.75
  Top Layer w1.016: v2(75.25,12) 75.253,11.997 77.618,11.997 F5.2@78,11.615 78,18 M9.1@77.75,18.25
  Bottom Layer w1.016: v2(46,32.25) 48.515,29.735 48.515,29.592 51.107,27 60.25,27 v2(75.25,12)
VD: D2.1 D5.1 F1.2 M1.1 M2.1 U1.1 U2.1 | length 22
  Top Layer w0.254: 65.5,49.5 65.5,49.75 67.5,51.75 69.75,51.75 72.79,54.79 U1.1@72.79,55.7 72.79,56.806 73.588,57.604 78.25,57.604 79.5,56.354 D5.1@79.5,53.55
Vreg: C18.2 U11.3 U12.6 | length 18.2
  Top Layer w0.508: U12.6@86.325,52.45 86.325,50.925 88.75,48.5 90.75,48.5 C18.2@93,46.25 93,45 89.586,41.586 89.586,39.826 U11.3@89.46,39.7
VS: D3.1 D4.1 F2.2 M5.1 M6.1 U3.1 U4.1 | length 28.9
  Top Layer w0.254: U4.1@17.655,38.475 17.655,38.337 17.815,38.177 20.029,38.177 21,37.206 D4.1@21,36.55 21,36.475 21.073,36.402 21.148,36.402 22.75,34.8 22.75,31.5 ; 27.5,32.5 27.5,33.04 32.48,38.02 33.27,38.02 35.405,40.155 U3.1@35.405,41.225 38.981,41.225 40.25,39.956 D3.1@40.25,39.3
pads on no net: "MCU Reset.1" "MCU Reset.3" MCU1.2 MCU1.6 MCU1.7 U1.3 U2.3 U3.3 U4.3 U5.2 U5.12 U5.19 U5.22 U5.32 U6.0 U9.7 U9.8 U9.9 U9.10 U9.11 U9.12 U9.15 U13.3 USB.15 USB.16 USB.17 USB.18

## Polygon pours and split planes (outlines as drawn)
GND on Top Layer "GND_L01_P016" (solid, pour order 16): 1.75,98.25 1.75,1.5 99.628,0.372 99,98.5 63,98.5
NetBuck_OUT_2 on Top Layer "NONET_L-01_P-001" (solid, remove dead copper, pour order 14): 37.25,8.875 51,8.875 51,11.625 62.5,11.625 62.5,26.875 52,26.875 52,19.875 37.25,19.875
NetC19_2 on Top Layer "NONET_L-01_P-001" (solid, remove dead copper, pour order 15): 50.75,2.5 50.75,11.75 62.5,11.75 62.5,27.25 77,27.25 77,21.75 74.5,21.75 74.5,2.5
BAT_VOLTAGE on Top Layer "BAT_VOLTAGE_L01_P012" (solid, pour order 12): 84.75,22.5 84.75,2.5 97.5,2.5 97.5,22.5
VA_DMOT on Top Layer "NONET_L-01_P-001" (solid, remove dead copper, pour order 9): 67.5,42.75 67.5,41 62.75,41 62.75,31.25 75.75,31.25 75.75,42.75
VD on Top Layer "NONET_L-01_P-001" (solid, remove dead copper, pour order 10): 52.288,38.5 52.216,54.75 48.5,54.75 48.5,59.25 52.415,59.25 55.477,59.25 55.524,50.234 66.75,50.25 66.75,38.5
VA_SMOT on Top Layer "NONET_L-01_P-001" (solid, remove dead copper, pour order 13): 13.75,5.511 13.75,13 24.5,13 24.5,19.75 29.75,19.75 29.75,23.75 37.25,23.75 37.25,5.25
VS on Top Layer "NONET_L-01_P-001" (solid, remove dead copper, pour order 11): 14,20 14,28.5 20,28.506 20,33 28.75,33 28.75,20
GND on Bottom Layer "NONET_L-01_P-001" (solid, remove dead copper, pour order 17): 0,104.75 0,0 99.5,0 99.5,101

## Keep-outs
Keep-Out Layer:
  lines w5: 0,98.73 cw(c1.27,98.73) 1.27,100 ; 1.27,0 cw(c1.27,1.27) 0,1.27 0,100 38.5,100 ; 2,0 98.73,0 ccw(c98.73,1.27) 100,1.27 100,26.5 ; 63.25,100 98.73,100 cw(c98.73,98.73) 100,98.73 100,26

## Silkscreen, mask and mechanical layers (free items; w line width, h text height)
Top Overlay:
  text "ESP_USB" at 35,75.427 h1
  text "ESP_USB" at 53.5,75.427 h1
  text "UNO_USB" at 35,72.677 h1
  text "UNO_USB" at 53.75,71.177 h1
  text "ESP_UNO" at 35,69.427 h1
  text "ESP_UNO" at 54,65.927 h1
  text "LED" at 3.355,60.355 h0.8
  text "Signal" at 11.605,57.872 h0.8
  text "GND" at 3.355,54.855 h0.8
  text "Trig" at 2.105,48.622 h0.8
  text "Echo" at 2.105,45.855 h0.8
  text "GND" at 2.105,43.105 h0.8
  text "5V" at 2.105,37.605 h0.8
  text "SDA" at 2.105,35.105 h0.8
  text "GND" at 2.105,30.855 h0.8
  text "Negative" at 75.605,1.122 h0.8
  text "Positive" at 88.355,1.105 h0.8
Mechanical 1:
  the board outline again, w0.1

## Text inside footprints (layer, text, board x,y; h text height)
Battery: Mechanical 15 "Front" at 86,1.534 h1.52 r180
"Drive Motor": Mechanical 15 "Front" at 32.1,1.4 h0.8 r180
MCU1: Mechanical 13 "ANTENNA AREA" at 43.127,104.874 h0.8; Mechanical 13 "CUTOUT POLYGON" at 43.127,104.366 h0.8
P1: Top Overlay "6" at 20.57,84.25 h0.8; Top Overlay "5" at 20.57,77.25 h0.8; Top Overlay "1" at 13.13,77.25 h0.8; Top Overlay "2" at 12.83,84.25 h0.8
"Steering Motor": Mechanical 15 "Front" at 15.6,1.4 h0.8 r180